# Altium PCB IOT_PLUG_PCB.PcbDoc (continued)
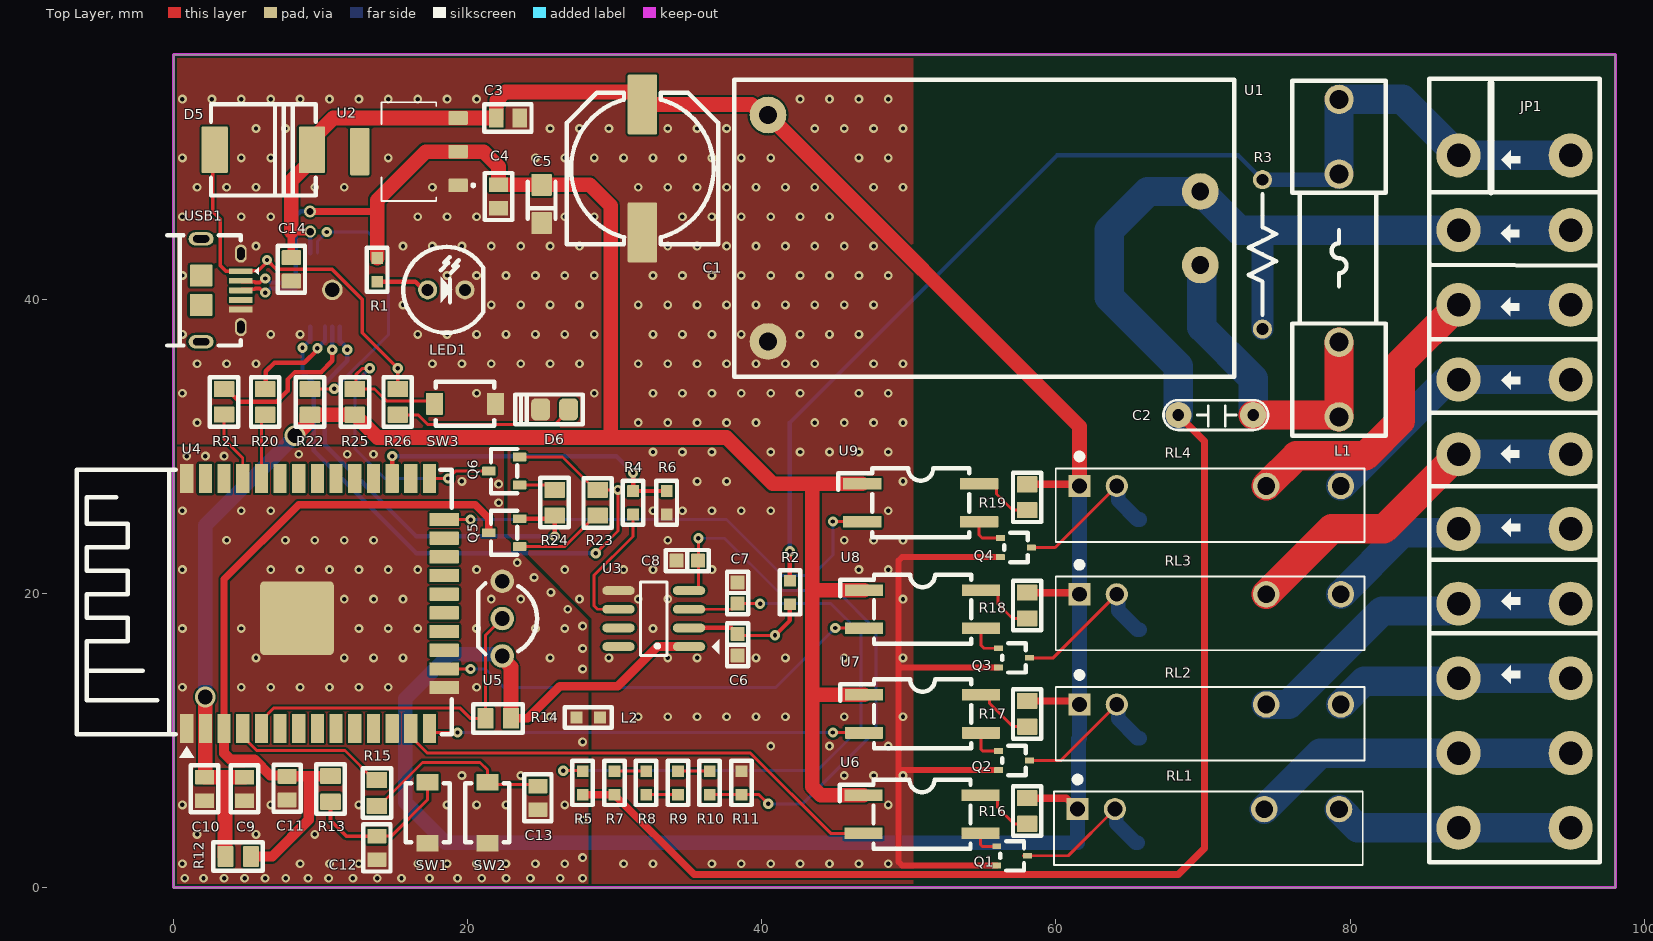
[diagram p0: Top Layer view]
## Part data (continued)
D1 D2 D3 D4: library part 10A10, "DIODE SCHOTTKY 30V 5A DO214AB", ComponentLink1Description=Datasheet, ComponentLink1URL="D:\Dropbox\Datasheets\Diodes and Rectifiers\Diodes\10AXX.pdf", Digikey=SSC53L-E3/57TGICT-ND
D5: library part "30# SK56L-TP", "DIODE SCHOTTKY 60V 5A DO214AB", ComponentLink1Description=http://www.mccsemi.com/up_pdf/SK52L-SK510L(DO-214AB).PDF, ComponentLink1URL=http://www.mccsemi.com/up_pdf/SK52L-SK510L(DO-214AB).PDF, Digikey=SK56L-TPMSCT-ND
D6: library part "LED GREEN 0603", "Green 571nm LED Indication - Discrete 2V 0805 (2012 Metric)", ComponentLink1Description=http://optoelectronics.liteon.com/upload/download/DS22-2000-074/S_110_LTST-C190KGKT.pdf, ComponentLink1URL=http://optoelectronics.liteon.com/upload/download/DS22-2000-074/S_110_LTST-C190KGKT.pdf, Digikey=160-1426-1-ND
IC1: library part CP2102, "USB Bridge, USB to UART USB 2.0 UART Interface 28-QFN (5x5)", Digikey=336-3694-ND, VNBuy=https://banlinhkien.vn/goods-2607-cp2102-qfn28.html
JP1: library part "Terminal KF142 10pin", "Terminal KF142 9pin"
L1 L2: library part Inductor, "Sensible value10-15mH，current / 70-500mA", Digikey=ASPI-7318-8R2M-TCT-ND, Simulation ModelName=INDUCTOR, Simulation PortMap=(1:1),(2:2)
LED1: "LED Single colour Green and Red"
Q1 Q2 Q3 Q4: library part 2SC1815, "Bipolar (BJT) Transistor NPN 30V 3A 450MHz 800mW Surface Mount 3-MCPH", ComponentLink1Description=Datasheet, ComponentLink1URL="D:\Dropbox\Datasheets\Transistors\P Channel Bipolar\2SC1815.pdf", Digikey=MCH3209-TL-EOSCT-ND
Q5 Q6: library part 6#DTC143ZKAT146, "Pre-Biased Bipolar Transistor (BJT) NPN - Pre-Biased 50V 100mA 250MHz 200mW Surface Mount SMT3", Digikey=DTC143ZKAT146CT-ND
R1 R4: library part 15K/R0603/1%, "RES SMD 10K OHM 1% 1/10W 0603", Manufacturer=Yageo, Manufacturer Part Number=RC0603FR-0715KL, Operating Temperature="-55°C ~ 155°C", Package / Case="0603 (1608 Metric)", Power (Watts)="0.1W, 1/10W", Resistance (Ohms)=15k, Supplier Device Package=0603, Supplier Part Number 1=311-15.0KHRCT-ND, Temperature Coefficient=±100ppm/°C, Tolerance=±1%, Category=Resistors, ComponentLink1Description=http://www.yageo.com/NewPortal/yageodocoutput?fileName=/pdf/R-Chip/PYu-RC_Group_51_RoHS_L_3.pdf, ComponentLink1URL=http://www.yageo.com/NewPortal/yageodocoutput?fileName=/pdf/R-Chip/PYu-RC_Group_51_RoHS_L_3.pdf, Composition="Thick Film", Features="Moisture Resistant", Height="0.022\" (0.55mm)", Number of Terminations=2, Packaging=Digi-Reel®, RoHS="RoHS Compliant", Size / Dimension="0.063\" L x 0.031\" W (1.60mm x 0.80mm)", Supplier 1=Digi-Key
R2 R3 R5 R11: library part 15K/R0603/1%, "RES SMD 1K OHM 1% 1/10W 0603", Manufacturer=Yageo, Manufacturer Part Number=RC0603FR-0715KL, Operating Temperature="-55°C ~ 155°C", Package / Case="0603 (1608 Metric)", Power (Watts)="0.1W, 1/10W", Resistance (Ohms)=15k, Supplier Device Package=0603, Supplier Part Number 1=311-15.0KHRCT-ND, Temperature Coefficient=±100ppm/°C, Tolerance=±1%, Category=Resistors, ComponentLink1Description=http://www.yageo.com/NewPortal/yageodocoutput?fileName=/pdf/R-Chip/PYu-RC_Group_51_RoHS_L_3.pdf, ComponentLink1URL=http://www.yageo.com/NewPortal/yageodocoutput?fileName=/pdf/R-Chip/PYu-RC_Group_51_RoHS_L_3.pdf, Composition="Thick Film", Features="Moisture Resistant", Height="0.022\" (0.55mm)", Number of Terminations=2, Packaging=Digi-Reel®, RoHS="RoHS Compliant", Size / Dimension="0.063\" L x 0.031\" W (1.60mm x 0.80mm)", Supplier 1=Digi-Key
R6: library part 15K/R0603/1%, "RES SMD 15K OHM 1% 1/10W 0603", Manufacturer=Yageo, Manufacturer Part Number=RC0603FR-0715KL, Operating Temperature="-55°C ~ 155°C", Package / Case="0603 (1608 Metric)", Power (Watts)="0.1W, 1/10W", Resistance (Ohms)=15k, Supplier Device Package=0603, Supplier Part Number 1=311-15.0KHRCT-ND, Temperature Coefficient=±100ppm/°C, Tolerance=±1%, Category=Resistors, ComponentLink1Description=http://www.yageo.com/NewPortal/yageodocoutput?fileName=/pdf/R-Chip/PYu-RC_Group_51_RoHS_L_3.pdf, ComponentLink1URL=http://www.yageo.com/NewPortal/yageodocoutput?fileName=/pdf/R-Chip/PYu-RC_Group_51_RoHS_L_3.pdf, Composition="Thick Film", Features="Moisture Resistant", Height="0.022\" (0.55mm)", Number of Terminations=2, Packaging=Digi-Reel®, RoHS="RoHS Compliant", Size / Dimension="0.063\" L x 0.031\" W (1.60mm x 0.80mm)", Supplier 1=Digi-Key
R7 R8 R9 R10: library part 15K/R0603/1%, "RES SMD 470K OHM 1% 1/10W 0603", Manufacturer=Yageo, Manufacturer Part Number=RC0603FR-0715KL, Operating Temperature="-55°C ~ 155°C", Package / Case="0603 (1608 Metric)", Power (Watts)="0.1W, 1/10W", Resistance (Ohms)=15k, Supplier Device Package=0603, Supplier Part Number 1=311-15.0KHRCT-ND, Temperature Coefficient=±100ppm/°C, Tolerance=±1%, Category=Resistors, ComponentLink1Description=http://www.yageo.com/NewPortal/yageodocoutput?fileName=/pdf/R-Chip/PYu-RC_Group_51_RoHS_L_3.pdf, ComponentLink1URL=http://www.yageo.com/NewPortal/yageodocoutput?fileName=/pdf/R-Chip/PYu-RC_Group_51_RoHS_L_3.pdf, Composition="Thick Film", Features="Moisture Resistant", Height="0.022\" (0.55mm)", Number of Terminations=2, Packaging=Digi-Reel®, RoHS="RoHS Compliant", Size / Dimension="0.063\" L x 0.031\" W (1.60mm x 0.80mm)", Supplier 1=Digi-Key
R12 R25: library part 200K/R0603/1%, "10 kOhms ±1% 0.125W, 1/8W Chip Resistor 0805 (2012 Metric) Thick Film", Operating Temperature="-55°C ~ 155°C", Package / Case="0603 (1608 Metric)", Power (Watts)="0.1W, 1/10W", Supplier Device Package=0603, Category=Resistors, ComponentLink1Description=http://www.yageo.com/documents/recent/PYu-RC_Group_51_RoHS_L_7.pdf, ComponentLink1URL=http://www.yageo.com/documents/recent/PYu-RC_Group_51_RoHS_L_7.pdf, Digikey=A126332CT-ND, Failure Rate=-, Features="Moisture Resistant", Height - Seated (Max)="0.022\" (0.55mm)", Part Status=Active, RoHS="RoHS Compliant", Size / Dimension="0.063\" L x 0.031\" W (1.60mm x 0.80mm)"
R13 R15: library part 200K/R0603/1%, "0 Ohms Jumper 0.125W, 1/8W Chip Resistor 0805 (2012 Metric) Automotive AEC-Q200 Thick Film", ComponentLink1Description=http://www.yageo.com/documents/recent/PYu-RC_Group_51_RoHS_L_7.pdf, ComponentLink1URL=http://www.yageo.com/documents/recent/PYu-RC_Group_51_RoHS_L_7.pdf, Digikey=541-0.0ACT-ND, Failure Rate=-, Height - Seated (Max)="0.022\" (0.55mm)", Part Status=Active
R14: library part 200K/R0603/1%, "4k7 Ohms Jumper 0.125W, 1/8W Chip Resistor 0805 (2012 Metric)", ComponentLink1Description=http://www.yageo.com/documents/recent/PYu-RC_Group_51_RoHS_L_7.pdf, ComponentLink1URL=http://www.yageo.com/documents/recent/PYu-RC_Group_51_RoHS_L_7.pdf, Digikey=541-0.0ACT-ND, Failure Rate=-, Height - Seated (Max)="0.022\" (0.55mm)", Part Status=Active
R16 R17 R18 R19: library part 249K/R0805/1%, "RES SMD 249K OHM 1% 1/10W 0805", Manufacturer=Yageo, Manufacturer Part Number=RC0603FR-07249KL, Operating Temperature="-55°C ~ 155°C", Package / Case="0603 (1608 Metric)", Power (Watts)="0.1W, 1/10W", Supplier Device Package=0603, Temperature Coefficient=±100ppm/°C, Tolerance=±1%, Category=Resistors, ComponentLink1Description=http://www.yageo.com/documents/recent/PYu-RC_Group_51_RoHS_L_8.pdf, ComponentLink1URL=http://www.yageo.com/documents/recent/PYu-RC_Group_51_RoHS_L_8.pdf, Composition="Thick Film", Failure Rate=-, Features="Moisture Resistant", Height - Seated (Max)="0.022\" (0.55mm)", Packaging="Cut Tape (CT)", Part Status=Active, Pricing 1="1=0.1, 10=0.015, 100=0.006, 1000=0.00268, 2500=0.00233 (USD)", RoHS="RoHS Compliant", Size / Dimension="0.063\" L x 0.032\" W (1.60mm x 0.80mm)", Stock 1=370515, Supplier 1=Digi-Key
R20 R21: library part 34.8K/R0805/1%, "1 kOhms ±1% 0.125W, 1/8W Chip Resistor 0805 (2012 Metric) Automotive AEC-Q200 Thick Film", Case Code (Imperial)=0603, Case Code (Metric)=1608, Max Operating Temperature=155°C, Min Operating Temperature=-55°C, Power Rating=100mW, Resistance=34.8kR, Voltage Rating=50V, Case/Package=0603, Depth=0.8mm, Digikey=541-1.00KCCT-ND, Height=0.45mm, Lead Free="Lead Free", Length=1.6mm, Military Standard=Not, Termination=SMD/SMT, Voltage Rating (DC)=50V, Width=0.8mm
R22: library part 34.8K/R0805/1%, "4.7 kOhms ±1% 0.125W, 1/8W Chip Resistor 0805 (2012 Metric) Thick Film", Digikey=541-4131-1-ND
R23 R24: library part 34.8K/R0805/1%, "10 kOhms ±1% 0.125W, 1/8W Chip Resistor 0805 (2012 Metric) Thick Film", Case Code (Imperial)=0603, Case Code (Metric)=1608, Max Operating Temperature=155°C, Min Operating Temperature=-55°C, Power Rating=100mW, Resistance=34.8kR, Voltage Rating=50V, Case/Package=0603, Depth=0.8mm, Digikey=A126332CT-ND, Height=0.45mm, Lead Free="Lead Free", Length=1.6mm, Military Standard=Not, Termination=SMD/SMT, Voltage Rating (DC)=50V, Width=0.8mm
R26: library part 200K/R0603/1%, "1 kOhms ±1% 0.125W, 1/8W Chip Resistor 0805 (2012 Metric) Automotive AEC-Q200 Thick Film", Operating Temperature="-55°C ~ 155°C", Package / Case="0603 (1608 Metric)", Power (Watts)="0.1W, 1/10W", Supplier Device Package=0603, Category=Resistors, ComponentLink1Description=http://www.yageo.com/documents/recent/PYu-RC_Group_51_RoHS_L_7.pdf, ComponentLink1URL=http://www.yageo.com/documents/recent/PYu-RC_Group_51_RoHS_L_7.pdf, Digikey=541-1.00KCCT-ND, Failure Rate=-, Features="Moisture Resistant", Height - Seated (Max)="0.022\" (0.55mm)", Part Status=Active, RoHS="RoHS Compliant", Size / Dimension="0.063\" L x 0.031\" W (1.60mm x 0.80mm)"
RL1 RL2 RL3 RL4: "General Purpose Relay SPST-NO (1 Form A) 5VDC Coil Through Hole", Digikey=T9GV1L14-5, Simulation ModelName=SPDTRELAY, Simulation PortMap=(1:1),(2:2),(3:3),(4:4)
SW1 SW2 SW3: library part SW2, "SWITCH TACTILE SPST-NO 0.05A 12V", Digikey=CKN10384CT-ND
U4: "ESP-WROOM-32 (8MB), WIFI MODULE 64 MBITS SPI FLASH", Digikey=1904-1019-1-ND
U6 U7 U8 U9: library part PC817, "Optoisolator Transistor Output 5000Vrms 1 Channel 4-SOP", Digikey=TPC817S1BRAGCT-ND
USB1: library part USB_MINI, "USB - micro B USB 2.0 Receptacle Connector 5 Position Surface Mount, Right Angle; Through Hole", BuyVN=https://banlinhkien.vn/goods-5145-microusb-mk5p-dip.html, Digikey=609-4618-1-ND

## Via types
v1: diameter 0.6, hole 0.3, Top Layer to Bottom Layer, tented both sides, 338 vias
v2: diameter 0.7, hole 0.3, Top Layer to Bottom Layer, tented both sides, 29 vias
v3: diameter 1.4, hole 1, Top Layer to Bottom Layer, tented both sides, 2 vias
v4: diameter 0.8, hole 0.5, Top Layer to Bottom Layer, tented both sides, 2 vias

## Nets (pads, with @x,y where several pads share a name; then routed paths per layer and width w, separated by ;. In a path a pad name is that pad's centre, name@x,y a point inside that pad or via, vN(x,y) a via of type N, cw(c..) or ccw(c..) an arc to the next point about the centre after c; other vN are vias at no path point)
3.3V_ESP: C4.2 C5.2 C9.2 C10.2 IC1.6 IC1.7 R1.1 R12.1 R22.1 R25.1 U2.2 U4.2 U6.1 U7.1 U8.1 U9.1 | length 155.8
  Top Layer w0.5: v4(9.271,45.974) 13.843,45.974
  Top Layer w1: C10.2 C10.2@2.159,7.506 ; v3(2.159,12.954) U4.2 C10.2@2.159,7.506 ; R12.1 3.492,2.135 3.492,7.506 ; C9.2 3.492,7.506 ; v3(8.255,30.734) 9.071,31.55 9.071,32.095 R22.1@9.121,32.145 ; R22.1 R22.1@9.121,32.145 ; R1.1 13.843,45.974 13.843,46.736 17.145,50.038 U2.2 21.082,50.038 22.093,49.027 22.093,47.79 C4.2 25.011,47.79 C5.2 28.291,47.782 29.718,46.355 29.718,30.607 ; U9.1 43.434,27.457 ; U6.1 44.02,6.273 43.434,6.859 43.434,13.081 ; U7.1 43.459,13.106 43.434,13.081 ; U8.1 43.536,20.218 43.434,20.32 ; C10.2@2.159,7.506 3.492,7.506 ; R22.1@9.121,32.145 12.469,32.145 12.519,32.095 12.519,31.945 13.857,30.607 29.718,30.607 ; 29.718,30.607 37.592,30.607 40.742,27.457 43.434,27.457 ; 43.434,13.081 43.434,20.32 ; 43.434,20.32 43.434,27.457
  Bottom Layer w0.3: IC1.6 IC1.7 8.295,45.633 8.636,45.974 v4(9.271,45.974)
  Bottom Layer w1: v3(2.159,12.954) 2.159,24.638 v3(8.255,30.734)
5V: C1.1 C3.2 C14.2 D1.2 D2.2 D3.2 D4.2 D5.2 IC1.8 R14.2 R16.2 R17.2 R18.2 R19.2 RL1.1 RL2.1 RL3.1 RL4.1 U1.4 U2.3 U3.1 U5.3 | length 198.6
  Top Layer w0.5: C14.2 8.001,44.601 v4(9.295,44.601) ; R16.2 60.72,6.082 RL1.1 ; R17.2 61.355,12.686 RL2.1 ; R18.2 61.482,20.052 RL3.1 ; R19.2 61.482,27.418 RL4.1
  Top Layer w0.6: R14.2 24.079,11.506 26.264,13.691 30.201,13.691 32.893,16.383 U3.1
  Top Layer w1: 8.001,44.601 8.001,48.07 9.398,49.467 D5.2 9.398,50.864 10.862,52.328 U2.3 21.933,52.328 C3.2 21.933,53.175 21.971,53.213 21.971,53.516 22.557,54.102 31.377,54.102 31.877,53.602 C1.1 39.298,53.245 40.012,52.531 U1.4 61.595,31.354 RL4.1 ; U5.3 22.352,15.586 22.948,14.99 R14.2
  Bottom Layer w0.3: IC1.8 v4(9.295,44.601)
  Bottom Layer w1: U5.3 22.241,15.859 18.78,15.859 15.748,12.827 15.748,5.793 18.493,3.048 D1.2 RL1.1 61.531,5.397 61.531,10.096 D2.2 RL2.1 D3.2 RL3.1 D4.2 RL4.1
DGND: C9.1 C10.1 C11.1 C12.2 C13.2 L2.2 SW1.1 SW2.1 U4.1 U4.15 U4.38 U4.39 U5.1
  other v1: 0.762,0.635 2.032,0.635 3.429,0.635 4.826,0.635 6.223,0.635 7.62,0.635 9.144,0.635 10.541,0.635 12.192,0.635 13.843,0.635 15.494,0.635 17.399,0.635 19.304,0.635 20.955,0.635 22.606,0.635 24.257,0.635 26.289,0.635 27.813,0.635 0.6,1.616 8.6,1.616 10.6,1.616 12.6,1.616 16.6,1.616 18.6,1.616 20.6,1.616 22.6,1.616 24.6,1.616 26.6,1.616 27.813,2.032 1.6,3.616 5.6,3.616 9.6,3.616 27.813,4.572 0.6,5.616 6.6,5.616 12.6,5.616 18.6,5.616 20.6,5.616 22.6,5.616 26.6,5.616 19.6,7.616 23.6,7.616 27.813,9.906 25.6,11.616 0.6,13.616 4.6,13.616 6.6,13.616 8.6,13.616 10.6,13.616 12.6,13.616 14.6,13.616 20.6,13.616 27.813,14.859 5.6,15.616 11.6,15.616 13.6,15.616 15.6,15.616 25.6,15.616 27.813,16.256 0.6,17.616 4.6,17.616 12.6,17.616 14.6,17.616 16.6,17.616 20.6,17.616 24.6,17.616 26.6,17.616 27.813,17.78 26.797,18.923 11.6,19.616 13.6,19.616 15.6,19.616 21.6,19.616 23.6,19.616 25.654,20.066 24.511,21.082 0.6,21.616 6.6,21.616 8.6,21.616 10.6,21.616 12.6,21.616 14.6,21.616 16.6,21.616 20.6,21.616 23.368,22.098 3.6,23.616 7.6,23.616 9.6,23.616 11.6,23.616 13.6,23.616 0.6,25.616 4.6,25.616 6.6,25.616 22.098,26.162 22.098,27.432 19.6,27.616 0.889,29.337 2.159,29.337 3.429,29.337 8.509,29.464 11.811,29.464 13.589,29.464
EN: C11.2 Q5.3 R12.2 R13.2 U4.3 | length 49.1
  Top Layer w0.5: U4.3 3.429,20.955 8.509,26.035 20.501,26.035 21.429,25.107 Q5.3
  Top Layer w0.7: U4.3 3.429,9.122 3.839,8.712 5.486,8.712 6.579,7.62 7.658,7.62 C11.2 7.734,7.568 9.195,7.568 ; R12.2 6.702,2.108 9.195,4.601 9.195,7.568 ; R13.2 10.656,7.568 9.195,7.568
ESP_BUTTON: R15.2 U4.4 | length 10.9
  Top Layer w0.2: U4.4 4.699,10.263 5.65,9.312 11.657,9.312 13.668,7.301 R15.2
esp_temp: R14.1 U4.5 U5.2 | length 23.7
  Top Layer w0.2: U4.5 5.969,11.363 6.823,12.217 19.456,12.217 20.168,11.506 R14.1 21.198,17.134 U5.2
IO0: Q6.3 R25.2 SW3.1 U4.25 | length 25.2
  Top Layer w0.2: R25.2 12.459,33.895 13.669,33.895 14.469,33.095 17.535,33.095 SW3.1 ; R25.2@12.389,33.965 12.389,34.868 12.821,35.3 13.329,35.3 v2(13.335,35.306) ; U4.25 v2(18.669,27.813) 19.177,28.321 Q6.3
  Bottom Layer w0.2: v2(13.335,35.306) 12.319,34.29 12.319,29.845 14.351,27.813 v2(18.669,27.813)
NetC2_1: C2.1 L1.2 U1.1 | length 22.7
  Top Layer w2: C2.1 79.121,32.131 79.248,32.004 L1.2@79.248,37.084
  Bottom Layer w2: U1.1 69.914,42.235 69.914,38.1 73.406,34.608 C2.1
NetC6_2: C6.2 R2.1 U3.2 | length 8.6
  Top Layer w0.2: C6.2 38.444,17.145 v2(40.894,17.145)
  Top Layer w0.3: U3.2 37.936,17.653 C6.2 ; v2(40.894,17.145) 41.91,18.161 R2.1
NetC7_2: C7.2 R5.1 U3.3 | length 41.8
  Top Layer w0.2: v2(26.492,7.95) 27.775,7.95 R5.1 ; U3.3 37.973,18.923 C7.2 v2(39.878,19.304)
  Bottom Layer w0.2: v2(26.492,7.95) 43.764,7.95 46.736,10.922 46.736,17.272 44.704,19.304 v2(39.878,19.304)
NetC8_2: C8.2 R10.1 R11.2 U3.4 | length 39.2
  Top Layer w0.2: U3.4 35.502,20.193 35.687,20.378 v2(35.687,23.749) ; R10.1 R11.2 39.814,6.312 v2(40.437,5.69)
  Bottom Layer w0.2: v2(35.687,23.749) 37.465,23.749 41.021,20.193 45.085,20.193 47.752,17.526 47.752,10.668 42.774,5.69 v2(40.437,5.69)
NetC12_1: C12.1 R13.1 SW1.2 | length 10.5
  Top Layer w0.2: C12.1 14.795,3.492 17.272,5.969 SW1.2
  Top Layer w0.25: R13.1 10.668,4.572 11.748,3.492 C12.1
NetC13_1: C13.1 R15.1 SW2.2 | length 13.3
  Top Layer w0.2: R15.1 13.968,5.551 16.925,8.509 20.828,8.509 21.336,8.001 SW2.2 21.498,6.993 24.668,6.993 C13.1
NetD1_1: D1.1 Q1.3 RL1.2 | length 10.6
  Top Layer w0.2: Q1.3@57.793,2.159 60.833,2.159 RL1.2
  Bottom Layer w1: RL1.2 64.105,5.237 64.105,4.361 65.418,3.048 D1.1
NetD2_1: D2.1 Q2.3 RL2.2 | length 10.5
  Top Layer w0.2: Q2.3 60.325,8.636 RL2.2
  Bottom Layer w1: RL2.2 64.232,12.349 64.232,11.473 65.545,10.16 D2.1
NetD3_1: D3.1 Q3.3 RL3.2 | length 10.9
  Top Layer w0.2: Q3.3 59.817,15.621 RL3.2
  Bottom Layer w1: RL3.2 64.232,19.842 64.232,18.839 65.545,17.526 D3.1
NetD4_1: D4.1 Q4.3 RL4.2 | length 10.6
  Top Layer w0.2: Q4.3 59.944,23.114 RL4.2
  Bottom Layer w1: RL4.2 64.232,27.208 64.232,26.332 65.545,25.019 D4.1
NetD6_1: D6.1 R26.2 | length 12.4
  Top Layer w0.2: R26.2 16.612,32.145 17.262,31.496 25.942,31.496 26.858,32.412 D6.1
NetIC1_9: IC1.9 R22.2 | length 18.9
  Top Layer w0.2: R22.2 9.285,33.909 v2(10.922,33.909)
  Bottom Layer w0.2: IC1.9 9.787,43.148 9.787,43.95 v2(10.414,44.577) 13.208,44.577 14.605,43.18 14.605,37.592 v2(10.922,33.909)
NetIC1_25: IC1.25 R21.2 | length 11.6
  Top Layer w0.3: R21.2 3.579,33.909 4.443,33.045 7.015,33.045 7.223,33.253 7.223,33.258 7.747,33.782 7.747,34.544 8.255,35.052 10.033,35.052 10.795,35.814 v2(10.795,36.576)
  Bottom Layer w0.3: v2(10.795,36.576) IC1.25
NetIC1_26: IC1.26 R20.2 | length 7.1
  Top Layer w0.3: R20.2 6.271,33.943 6.271,35.1 6.858,35.687 8.89,35.687 9.779,36.576 v2(9.779,36.675)
  Bottom Layer w0.3: v2(9.779,36.675) 10.295,37.191 IC1.26
NetLED1_1: LED1.1 R1.2 | length 3.7
  Top Layer w0.3: R1.2 16.442,41.199 17.001,40.64 LED1.1
NetQ1_1: Q1.1 U6.3 | length 1.9
  Top Layer w0.2: U6.3 54.864,2.911 54.981,2.794 Q1.1@55.973,2.794
NetQ2_1: Q2.1 U7.3 | length 2.4
  Top Layer w0.2: U7.3 54.902,9.403 55.019,9.286 Q2.1
NetQ3_1: Q3.1 U8.3 | length 2.4
  Top Layer w0.2: U8.3 54.902,16.472 55.103,16.271 Q3.1
NetQ4_1: Q4.1 U9.3 | length 2.4
  Top Layer w0.2: U9.3 54.775,23.965 54.976,23.764 Q4.1
NetQ5_2: Q5.2 R23.1 | length 6.2
  Top Layer w0.2: Q5.2 26.572,23.18 28.679,25.287 R23.1
NetQ6_2: Q6.2 R24.1 | length 2.5
  Top Layer w0.2: Q6.2 25.574,27.371 R24.1
NetR4_1: R4.1 U3.6 | length 9.1
  Top Layer w0.2: U3.6 28.829,18.923 28.575,19.177 28.575,21.209 31.242,23.876 R4.1
NetR4_2: R4.2 R6.1 U4.27 | length 21.9
  Top Layer w0.3: U4.27 v2(14.859,29.337) ; v2(31.242,28.194) R4.2 R6.1
  Bottom Layer w0.3: v2(14.859,29.337) 30.099,29.337 v2(31.242,28.194)
NetR7_2: R7.2 R8.2 | length 2.2
  Top Layer w0.2: R7.2 R8.2
NetR8_1: R8.1 R9.1 | length 2.2
  Top Layer w0.2: R8.1 R9.1
NetR9_2: R9.2 R10.2 | length 2.2
  Top Layer w0.2: R9.2 R10.2
NetR16_1: R16.1 U6.4 | length 4.4
  Top Layer w0.2: U6.4 55.724,6.273 56.024,5.973 56.024,5.444 57.156,4.312 57.805,4.312 R16.1@58.039,4.078
NetR17_1: R17.1 U7.4 | length 4.2
  Top Layer w0.2: U7.4 55.185,13.106 55.485,12.806 55.485,12.523 57.072,10.936 R17.1
NetR18_1: R18.1 U8.4 | length 4.3
  Top Layer w0.2: U8.4 55.762,20.218 56.062,19.918 56.062,19.279 57.039,18.302 R18.1
NetR19_1: R19.1 U9.4 | length 4.2
  Top Layer w0.2: U9.4 55.65,27.457 55.95,27.157 55.95,26.757 57.039,25.668 R19.1
NetR20_1: R20.1 U4.34 | length 4.4
  Top Layer w0.2: U4.34 5.976,27.82 5.976,31.898 R20.1
NetR21_1: R21.1 U4.35 | length 4.9
  Top Layer w0.2: R21.1 3.429,30.48 4.699,29.21 U4.35
NetU4_13: U4.13 U6.2 | length 34.1
  Top Layer w0.2: U4.13 16.129,10.263 17.248,9.144 39.218,9.144 44.679,3.683 U6.2
NetU4_14: U4.14 U7.2 | length 29.7
  Top Layer w0.2: U4.14 17.671,10.541 v2(19.304,10.541) ; v2(44.831,10.541) 46.927,10.541 U7.2
  Bottom Layer w0.2: v2(19.304,10.541) v2(44.831,10.541)
NetU4_16: U4.16 U8.2 | length 30.8
  Top Layer w0.2: U4.16 18.408,14.859 v2(20.193,14.859) ; v2(44.988,17.649) 46.931,17.649 U8.2
  Bottom Layer w0.2: v2(20.193,14.859) 21.209,14.859 22.479,13.589 40.928,13.589 v2(44.988,17.649)
NetU4_24: U4.24 U9.2 | length 32.9
  Top Layer w0.2: U4.24 18.408,25.019 v2(20.193,25.019) ; v2(44.831,24.892) 46.8,24.892 U9.2
  Bottom Layer w0.2: v2(20.193,25.019) 37.592,25.019 41.402,21.209 43.434,21.209 44.831,22.606 v2(44.831,24.892)
PGND: C1.2 C3.1 C4.1 C5.1 C6.1 C7.1 C8.1 C14.1 D6.2 IC1.3 IC1.29 L2.1 LED1.2 Q1.2 Q2.2 Q3.2 Q4.2 R6.2 R11.1 SW3.2 U1.3 U2.1 U3.5 USB1.5 USB1.6 USB1.7 | length 48
  Top Layer w0.4: Q1.2 49.525,1.509 49.291,1.743 49.291,7.874 ; Q2.2 49.403,7.986 49.291,7.874 ; Q3.2 49.306,14.971 49.291,14.986 ; Q4.2 49.525,22.464 49.291,22.23 49.291,14.986 ; 49.291,7.874 49.291,14.986
  other v1: 30.6,1.616 32.6,1.616 36.6,1.616 38.6,1.616 40.6,1.616 42.6,1.616 44.6,1.616 46.6,1.616 48.6,1.616 48.6,5.616 45.6,7.616 47.6,7.616 49.6,7.616 40.6,9.616 44.6,9.616 48.6,9.616 31.6,11.616 33.6,11.616 35.6,11.616 37.6,11.616 39.6,11.616 41.6,11.616 45.6,11.616 49.6,11.616 29.6,15.616 33.6,15.616 35.6,15.616 39.6,15.616 41.6,15.616 45.6,15.616 49.6,15.616 32.6,17.616 27.6,19.616 31.6,19.616 33.6,19.616 49.6,19.616 26.6,21.616 30.6,21.616 32.6,21.616 36.6,21.616 46.6,21.616 48.6,21.616 33.6,23.616 45.6,23.616 47.6,23.616 49.6,23.616 32.6,25.616 34.6,25.616 36.6,25.616 38.6,25.616 40.6,25.616 48.6,25.616 35.6,27.616 37.6,27.616 49.6,27.616 32.6,29.616 34.6,29.616 36.6,29.616 40.6,29.616 42.6,29.616 44.6,29.616 46.6,29.616 48.6,29.616 1.6,31.616 31.6,31.616 33.6,31.616 35.6,31.616 37.6,31.616 39.6,31.616 43.6,31.616 45.6,31.616 47.6,31.616 49.6,31.616 0.6,33.616 20.6,33.616 28.6,33.616 32.6,33.616 34.6,33.616 36.6,33.616 38.6,33.616 40.6,33.616 42.6,33.616 46.6,33.616 48.6,33.616 1.6,35.616 3.6,35.616 5.6,35.616 17.6,35.616 19.6,35.616 21.6,35.616 23.6,35.616 25.6,35.616 27.6,35.616 31.6,35.616 33.6,35.616 35.6,35.616 37.6,35.616 39.6,35.616 41.6,35.616 43.6,35.616 47.6,35.616 49.6,35.616 0.6,37.616 6.6,37.616 8.6,37.616 16.6,37.616 18.6,37.616 20.6,37.616 22.6,37.616 24.6,37.616 26.6,37.616 28.6,37.616 32.6,37.616 34.6,37.616 36.6,37.616 38.6,37.616 42.6,37.616 44.6,37.616 46.6,37.616 15.6,39.616 21.6,39.616 23.6,39.616 25.6,39.616 27.6,39.616 31.6,39.616 33.6,39.616 35.6,39.616 37.6,39.616 39.6,39.616 41.6,39.616 43.6,39.616 45.6,39.616 47.6,39.616 0.6,41.616 18.6,41.616 20.6,41.616 22.6,41.616 24.6,41.616 26.6,41.616 28.6,41.616 32.6,41.616 34.6,41.616 36.6,41.616 38.6,41.616 40.6,41.616 42.6,41.616 44.6,41.616 46.6,41.616 48.6,41.616 5.6,43.616 15.6,43.616 17.6,43.616 19.6,43.616 21.6,43.616 23.6,43.616 25.6,43.616 27.6,43.616 33.6,43.616 35.6,43.616 37.6,43.616 39.6,43.616 41.6,43.616 43.6,43.616 45.6,43.616 47.6,43.616 0.6,45.616 4.6,45.616 6.6,45.616 16.6,45.616 18.6,45.616 20.6,45.616 26.6,45.616 28.6,45.616 34.6,45.616 36.6,45.616 38.6,45.616 40.6,45.616 42.6,45.616 44.6,45.616 1.6,47.616 3.6,47.616 5.6,47.616 9.6,47.616 11.6,47.616 17.6,47.616 31.6,47.616 33.6,47.616 35.6,47.616 37.6,47.616 39.6,47.616 41.6,47.616 43.6,47.616 47.6,47.616 49.6,47.616 0.6,49.616 4.6,49.616 6.6,49.616 14.6,49.616 24.6,49.616 26.6,49.616 28.6,49.616 30.6,49.616 32.6,49.616 34.6,49.616 36.6,49.616 38.6,49.616 40.6,49.616 46.6,49.616 48.6,49.616 5.6,51.616 7.6,51.616 25.6,51.616 27.6,51.616 29.6,51.616 33.6,51.616 35.6,51.616 37.6,51.616 43.6,51.616 45.6,51.616 47.6,51.616 49.6,51.616 0.6,53.616 2.6,53.616 4.6,53.616 6.6,53.616 8.6,53.616 10.6,53.616 12.6,53.616 14.6,53.616 16.6,53.616 18.6,53.616 20.6,53.616 42.6,53.616 44.6,53.616 46.6,53.616 48.6,53.616
RL1_1: JP1.9 JP1.12 RL1.3 | length 22.4
  Bottom Layer w2: RL1.3 77.978,9.144 JP1.9 JP1.12
RL1_2: JP1.10 JP1.11 RL1.4 | length 16.3
  Bottom Layer w2: RL1.4 80.518,4.064 JP1.10 JP1.11
RL2_1: JP1.7 JP1.14 RL2.3 | length 23.7
  Bottom Layer w2: RL2.3 75.819,12.446 82.177,18.804 86.605,18.804 87.105,19.304 JP1.7 ; JP1.7@87.255,19.304 JP1.14
RL2_2: JP1.8 JP1.13 RL2.4 | length 16.4
  Bottom Layer w2: RL2.4 80.962,14.033 87.185,14.033 JP1.8 JP1.13
RL3_1: JP1.5 JP1.16 RL3.3 | length 24.6
  Top Layer w2: RL3.3 78.74,24.384 82.296,24.384 JP1.5
  Bottom Layer w2: JP1.5 JP1.16
RL3_2: JP1.6 JP1.15 RL3.4 | length 17.5
  Bottom Layer w2: RL3.4 83.566,24.13 86.415,24.13 86.478,24.193 87.185,24.193 JP1.6 JP1.15
RL4_1: JP1.3 JP1.18 RL4.3 | length 28.1
  Top Layer w2: RL4.3 76.345,29.355 81.044,29.355 83.412,31.723 83.412,35.66 JP1.3
  Bottom Layer w2: JP1.3 JP1.18
RL4_2: JP1.4 JP1.17 RL4.4 | length 18.6
  Bottom Layer w2: RL4.4 86.423,34.353 87.185,34.353 JP1.4 JP1.17
USB_DTR: IC1.28 Q6.1 R23.2 | length 43.5
  Top Layer w0.2: Q6.1 26.445,29.271 28.679,27.037 R23.2 v2(30.212,27.037) 30.212,24.243 v2(28.702,22.733)
  Bottom Layer w0.3: IC1.28 9.295,37.235 v2(8.763,36.703) 8.763,35.052 9.525,34.29 9.525,29.718 16.51,22.733 v2@28.679,22.733
USB_N: IC1.5 USB1.2 | length 4
  Top Layer w0.25: USB1.2 4.643,41.189 5.517,41.189 5.57,41.136 5.852,41.136 6.127,41.412 v2(6.223,41.412)
  Bottom Layer w0.25: v2(6.223,41.412) 6.319,41.412 6.594,41.136 7.202,41.136 7.247,41.091 7.846,41.091 7.87,41.115 8.27,41.115 IC1.5
USB_P: IC1.4 USB1.3 | length 4
  Top Layer w0.25: USB1.3 4.643,40.681 5.517,40.681 5.57,40.734 5.852,40.734 6.127,40.458 v2(6.223,40.458)
  Bottom Layer w0.25: v2(6.223,40.458) 6.319,40.458 6.594,40.734 7.035,40.734 7.08,40.689 7.846,40.689 7.87,40.665 8.27,40.665 IC1.4
USB_RTS: IC1.24 Q5.1 R24.2 | length 31
  Top Layer w0.3: Q5.1 25.701,25.08 R24.2 v2(25.908,23.876)
  Bottom Layer w0.3: IC1.24 11.295,37.191 11.811,36.675 v2(11.811,36.576) 11.811,35.814 10.272,34.275 10.272,30.114 16.51,23.876 v2(25.908,23.876)
V220L: JP1.1 JP1.20 L1.1 R2.2 R3.1 | length 78.1
  Top Layer w0.3: R2.2 v2(41.91,22.86)
  Bottom Layer w0.3: v2(41.91,22.86) 41.91,31.623 60.071,49.784 72.39,49.784 R3.1
  Bottom Layer w1: R3.1 L1.1@78.596,48.133
  Bottom Layer w2: L1.1@79.248,48.514 79.248,53.594 83.566,53.594 JP1.1 JP1.20
V220N: C2.2 JP1.2 JP1.19 R3.2 R5.2 R7.1 U1.2 | length 130.3
  Top Layer w0.5: R5.2 R7.1 35.395,0.889 68.326,0.889 70.104,2.667 70.104,30.353 C2.2
  Bottom Layer w1.5: R3.2 74.041,44.704
  Bottom Layer w2: C2.2 68.326,35.433 63.627,40.132 63.627,44.704 66.254,47.331 U1.2 72.445,44.704 74.041,44.704 JP1.2 JP1.19
VCCUSB: D5.1 R26.1 USB1.1 | length 26.5
  Top Layer w0.25: D5.1 2.667,50.038 2.667,45.959 3.175,45.451 3.175,42.291 3.555,41.911 4.571,41.911 USB1.1 4.604,41.942 5.747,41.942 6.019,42.214 6.019,42.219 6.35,42.55 v2(6.35,42.672) 6.985,42.037 10.777,42.037 12.827,39.987 12.827,37.719 v2(15.24,35.306) R26.1
pads on no net: IC1. IC1.1 IC1.2 IC1.10 IC1.11 IC1.12 IC1.13 IC1.14 IC1.15 IC1.16 IC1.17 IC1.18 IC1.19 IC1.20 IC1.21 IC1.22 IC1.23 IC1.27 U2.4 U3.7 U3.8 U4.6 U4.7 U4.8 U4.9 U4.10 U4.11 U4.12 U4.17 U4.18 U4.19 U4.20 U4.21 U4.22 U4.23 U4.26 U4.28 U4.29 U4.30 U4.31 U4.32 U4.33 U4.36 U4.37 USB1. USB1.4 USB1.8 USB1.9

## Polygon pours and split planes (outlines as drawn)
PGND on Top Layer "PGND_L01_P002" (solid, pour order 2): 0,56.642 50.292,56.642 50.292,0 28.448,0 28.448,18.288 22.733,24.003 22.733,30.099 0.127,30.099 0,30.226
DGND on Top Layer "DGND_L01_P000" (solid, pour order 0): 0,29.972 22.456,29.972 22.456,23.899 28.194,18.161 28.194,0 0,0
PGND on Bottom Layer "PGND_L02_P003" (solid, pour order 3): 0,56.642 50.292,56.642 50.292,0 28.448,0 28.448,18.288 22.733,24.003 22.733,29.972 0.254,29.972 0,30.226
DGND on Bottom Layer "DGND_L02_P001" (solid, pour order 1): 0,29.972 22.479,29.972 22.479,23.876 28.194,18.161 28.194,0 0,0

## Keep-outs
Keep-Out Layer:
  the board outline again, w0.2

## Dimensions
0,56.642 to 97.028,72.136 on Drill Drawing

## Text inside footprints (layer, text, board x,y; h text height)
D5: Mechanical 2 "K" at 8.596,49.465 h0.7; Mechanical 2 "A" at 2.996,49.465 h0.7
IC1: Mechanical 2 "28" at 8.995,38.94 h0.7 r180; Mechanical 2 "22" at 11.495,39.04 h0.7 r180; Mechanical 2 "21" at 12.495,38.94 h0.7 r270; Mechanical 2 "15" at 12.495,41.64 h0.7 r270; Mechanical 2 "14" at 11.395,42.74 h0.7 r180; Mechanical 2 "8" at 9.095,42.84 h0.7 r180; Mechanical 2 "7" at 8.495,41.94 h0.7 r270; Mechanical 2 "1" at 8.495,39.14 h0.7 r270
JP1: Mechanical 2 "2" at 87.235,14.444 h0.7 r270; Mechanical 2 "2" at 87.235,19.524 h0.7 r270; Mechanical 2 "2" at 87.235,24.604 h0.7 r270; Mechanical 2 "2" at 87.235,29.684 h0.7 r270; Mechanical 2 "2" at 87.235,34.764 h0.7 r270; Mechanical 2 "2" at 87.235,39.844 h0.7 r270; Mechanical 2 "2" at 87.235,44.924 h0.7 r270; Mechanical 2 "1" at 87.026,49.924 h0.7 r270; Mechanical 2 "1" at 94.646,49.924 h0.7 r270
L2: Mechanical 1 "R?" at 28.194,11.557 h0.7 r180
Q1: Mechanical 2 "B" at 56.373,3.009 h0.7 r270; Mechanical 2 "C" at 57.223,2.309 h0.7 r270; Mechanical 2 "E" at 56.373,1.609 h0.7 r270
Q2: Mechanical 2 "B" at 56.5,9.486 h0.7 r270; Mechanical 2 "C" at 57.35,8.786 h0.7 r270; Mechanical 2 "E" at 56.5,8.086 h0.7 r270
Q3: Mechanical 2 "B" at 56.5,16.471 h0.7 r270; Mechanical 2 "C" at 57.35,15.771 h0.7 r270; Mechanical 2 "E" at 56.5,15.071 h0.7 r270
Q4: Mechanical 2 "B" at 56.627,23.964 h0.7 r270; Mechanical 2 "C" at 57.477,23.264 h0.7 r270; Mechanical 2 "E" at 56.627,22.564 h0.7 r270
Q5: Mechanical 2 "C" at 22.079,23.98 h0.7 r90; Mechanical 2 "B" at 23.279,25.03 h0.7 r90; Mechanical 2 "E" at 23.179,23.03 h0.7 r90
Q6: Mechanical 2 "C" at 22.079,28.171 h0.7 r90; Mechanical 2 "B" at 23.279,29.221 h0.7 r90; Mechanical 2 "E" at 23.179,27.221 h0.7 r90
U1: Mechanical 2 "2" at 70.118,47.861 h0.7 r180; Mechanical 2 "1" at 69.928,42.841 h0.7 r180; Mechanical 2 "4" at 40.748,53.011 h0.7 r180; Mechanical 2 "3" at 40.748,37.641 h0.7 r180
U4: Mechanical 2 "1" at 0.944,11.413 h0.7 r180; Mechanical 2 "14" at 17.844,11.413 h0.7 r180; Mechanical 2 "15" at 18.444,13.013 h0.7 r90; Mechanical 2 "24" at 18.444,24.413 h0.7 r90; Mechanical 2 "25" at 18.044,28.113 h0.7 r180; Mechanical 2 "38" at 1.444,28.113 h0.7 r180
U5: Mechanical 1 "B" at 21.952,18.488 h0.7 r270; Mechanical 1 "C" at 21.952,21.088 h0.7 r270; Mechanical 1 "E" at 21.952,15.888 h0.7 r270
U6: Mechanical 2 "E" at 53.289,3.278 h0.7; Mechanical 2 "C" at 53.289,5.878 h0.7; Mechanical 2 "K" at 47.889,3.284 h0.7; Mechanical 2 "A" at 47.889,5.078 h0.7
U7: Mechanical 2 "A" at 47.927,11.911 h0.7; Mechanical 2 "K" at 47.927,10.117 h0.7; Mechanical 2 "C" at 53.327,12.711 h0.7; Mechanical 2 "E" at 53.327,10.111 h0.7
U8: Mechanical 2 "E" at 53.327,17.223 h0.7; Mechanical 2 "C" at 53.327,19.823 h0.7; Mechanical 2 "K" at 47.927,17.229 h0.7; Mechanical 2 "A" at 47.927,19.023 h0.7
U9: Mechanical 2 "E" at 53.2,24.462 h0.7; Mechanical 2 "C" at 53.2,27.062 h0.7; Mechanical 2 "K" at 47.8,24.468 h0.7; Mechanical 2 "A" at 47.8,26.262 h0.7
USB1: Mechanical 2 "1" at 3.572,42.01 h0.7 r270; Mechanical 2 "5" at 3.572,39.61 h0.7 r270